# KiCad board central-control-unit.kicad_pcb (continued)
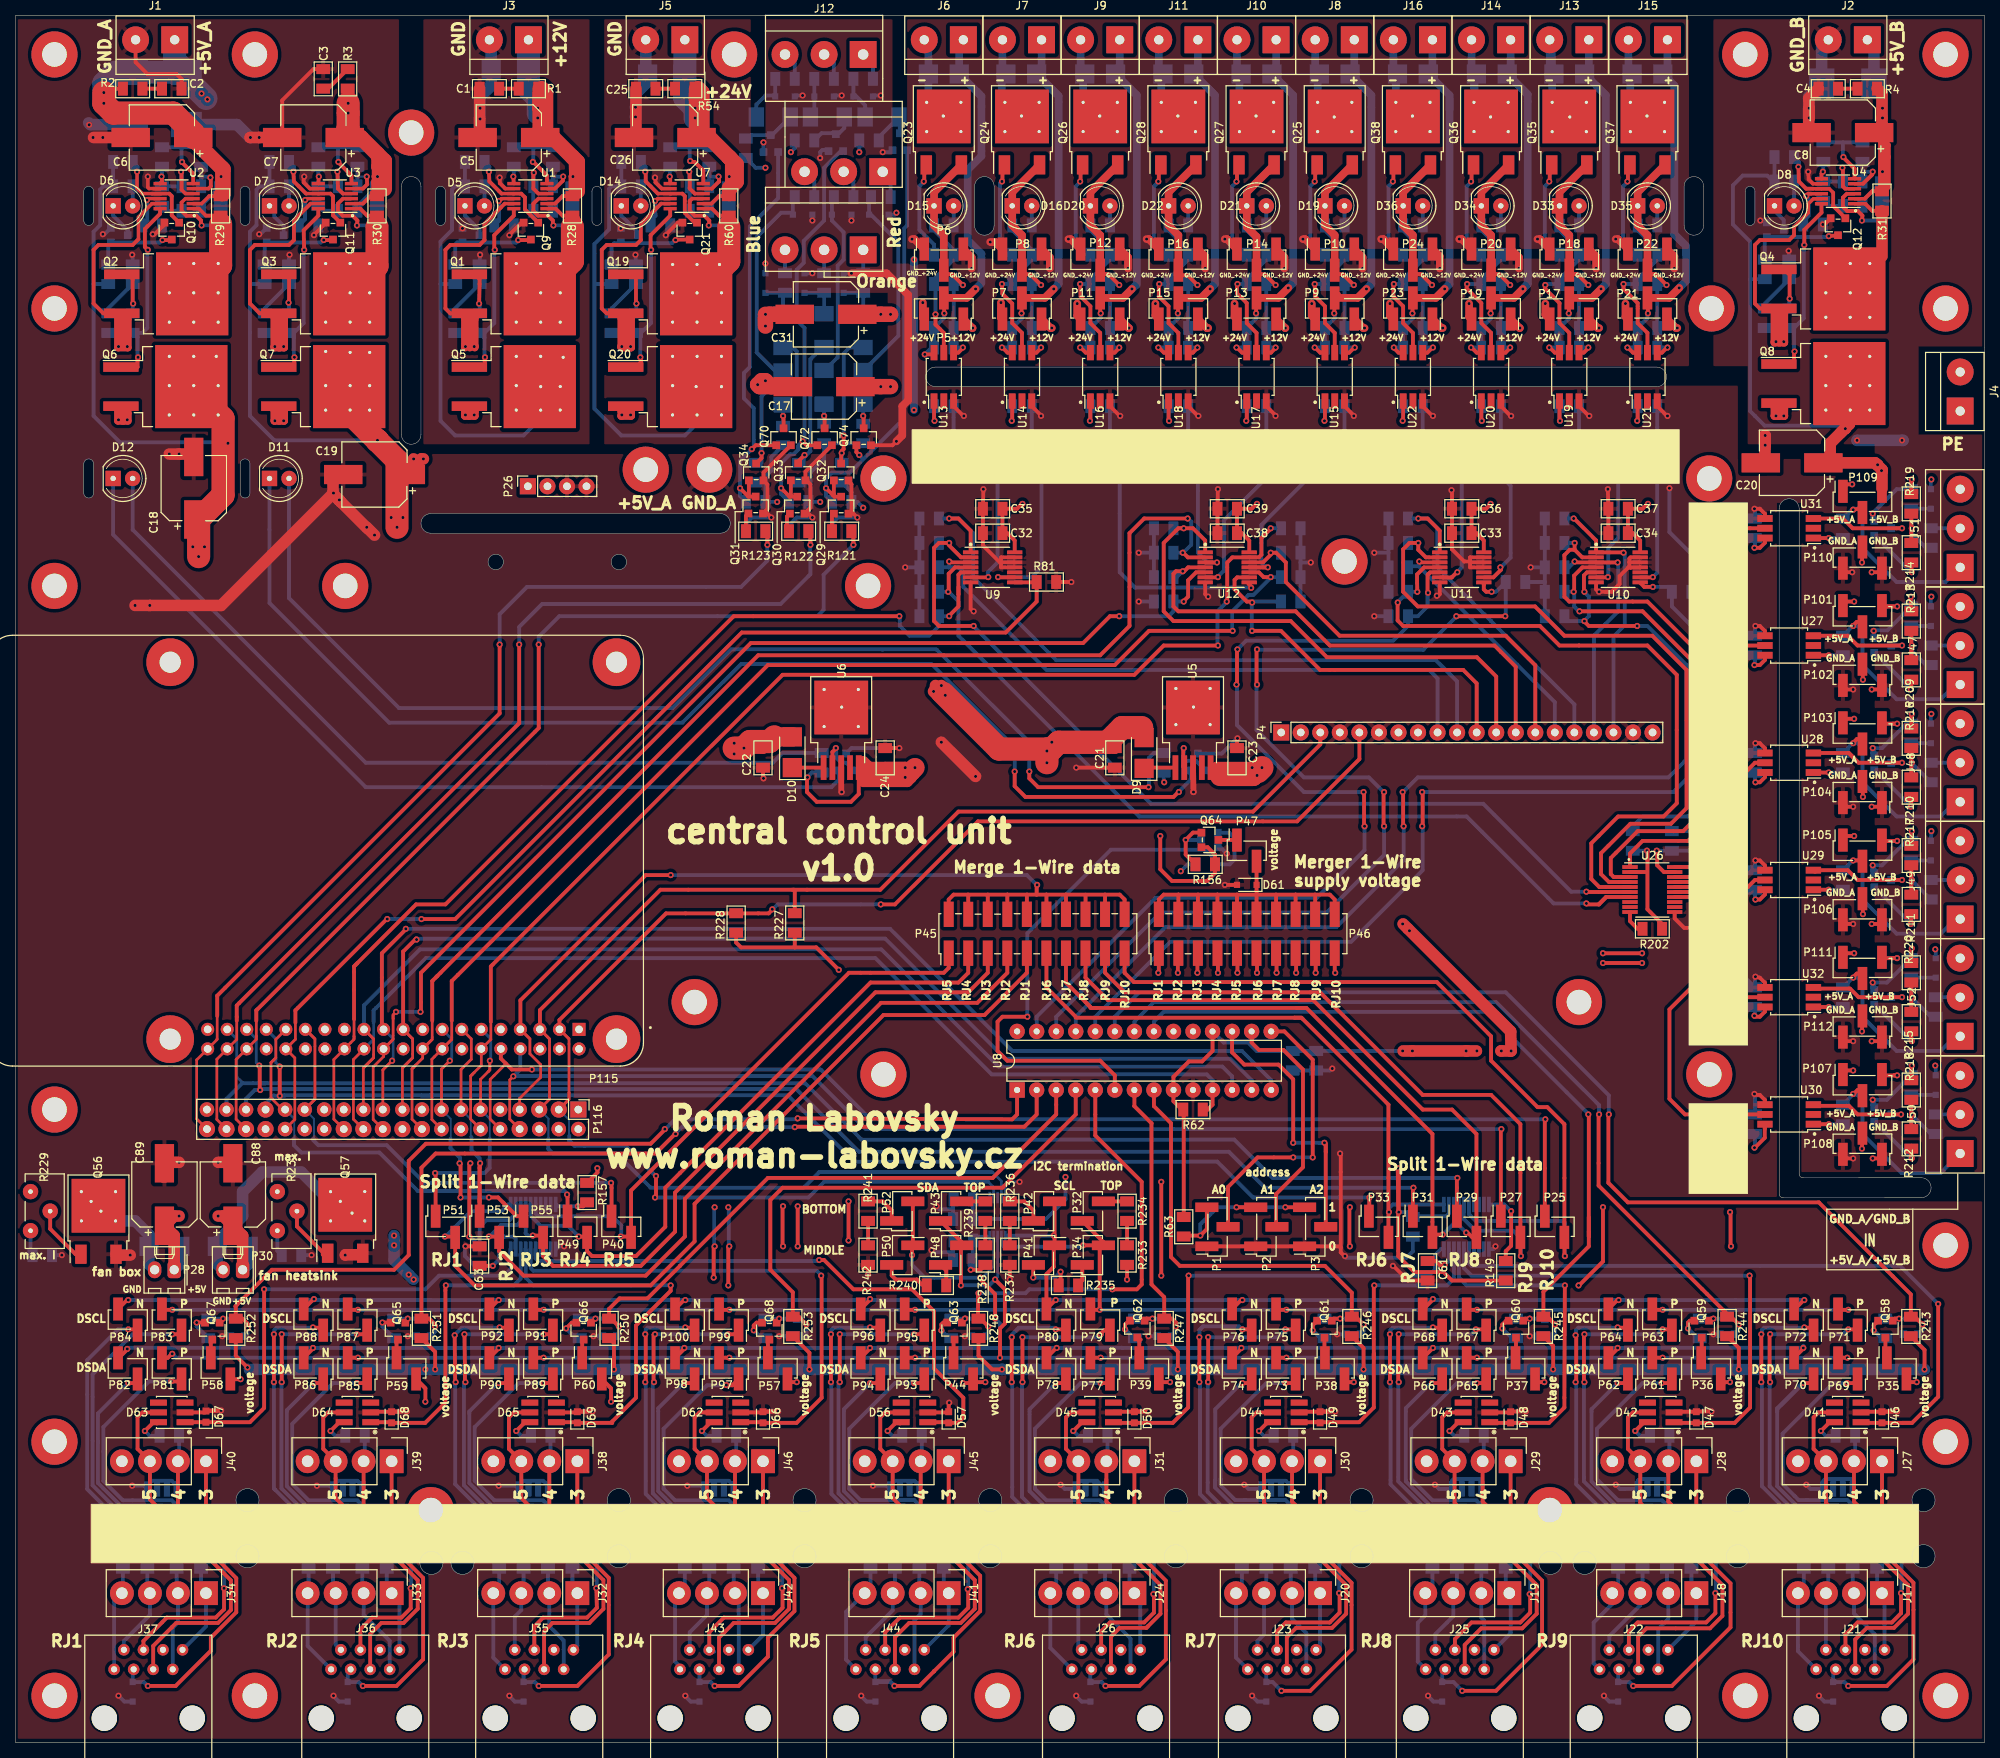
[diagram p0: board, top side]
## Routing (per net, layer and track width the routed paths; a pad name or vN(x,y) marks a point on that pad's centre or on a via; arc(x,y) is an arc through that point) (continued)
PCB_FREE3_3V3: length 66.7
  Top w0.5: 203.2,147.07 v1(203.26,147.07) 211.46,147.07 218.44,140.08 218.44,120.21 216.73,118.49 210.82,118.49 207.33,115 207.33,112.9 207.7,112.53 U26.3 208.67,112.53 ; U10.4 203.64,152.78 202.57,151.71 202.57,149.61
  Bottom w0.5: R76.1 v1(202.5,149.61) 202.57,149.61 202.57,147.7 203.2,147.07
PCB_FREE4_3V3: length 69.7
  Top w0.25: U26.1 210.6,113.83 ; 202.57,155.68 202.57,155.96
  Top w0.5: U26.1 209.82,115.59 211.46,117.22 217.36,117.22 219.71,119.57 219.71,140.72 212.09,148.34 201.93,148.34 201.3,148.97 201.3,154.37 201.99,155.07 202.63,155.07 ; U10.2 203.61,154.08 202.63,155.07 ; 202.63,155.07 v1(202.63,155.96)
  Bottom w0.5: 202.57,155.96 R77.1
PCB_PUMP_UNDERFLOOR_HEATING_FIRST_FOOR_3V3: length 116.5
  Top w0.5: 204.15,108.97 205.79,108.97 206.7,109.88 ; U26.7 206.7,109.93 205.74,108.97 ; 121.29,149.61 121.29,151.96 122.11,152.78 U9.4
  Bottom w0.5: v1(204.15,109.09) 199.9,109.09 188.59,120.4 146.05,120.4 122.55,143.89 122.55,148.34 121.29,149.61 v1(121.22,149.61) R74.1
PCB_PUMP_UNDERFLOOR_HEATING_SECOND_FOOR_3V3: length 123.4
  Top w0.25: 121.29,155.68 v1(121.35,155.96) 121.29,155.96 ; 205.78,110.58 v1(204.15,110.62)
  Top w0.5: U9.2 122.89,154.08 121.29,155.68 ; v1(204.15,110.62) 204.19,110.58 205.7,110.58 ; U26.6 205.78,110.58 ; 121.29,155.96 R75.1 119.38,155.32 119.38,145.8 120.02,145.16 124.46,145.16
  Bottom w0.5: 124.46,145.16 v1(124.52,145.16) 124.52,145.1 147.57,122.05 190.75,122.05 202.18,110.62 v1(204.15,110.62) ; R75.1 121.29,155.96
RELAY_BOILER_3V3: length 30.4
  Top w0.5: v1(162.75,152.78) 162.12,152.78 ; 162.12,152.78 162.56,152.78 ; 162.12,152.78 U12.11 161.85,152.78
  Bottom w0.5: 161.93,157.67 161.93,158.31 172.72,169.1 R102.1 ; 161.93,157.67 161.93,153.42 162.56,152.78 v1(162.75,152.78) ; 161.93,157.67 161.93,157.85
RELAY_FREE1_3V3: length 26.6
  Top w0.25: 185.13,151.51 185.1,151.48
  Top w0.5: 185.1,151.48 185.51,151.48 185.54,151.46 186.64,151.46 187.33,152.15
  Bottom w0.5: 187.33,152.15 v1(187.39,152.15) 187.39,152.21 187.96,152.78 187.96,164.02 182.88,169.1 R136.1
RELAY_FREE2_3V3: length 25.1
  Top w0.25: 190.85,151.51 190.82,151.48
  Top w0.5: 190.82,151.48 192.07,151.48 193.04,152.45 v1(192.98,152.78) 193.04,152.78
  Bottom w0.5: R134.1 193.04,164.66 194.31,163.39 194.31,154.05 193.04,152.78
RELAY_FREE3_3V3: length 28
  Top w0.25: 207.01,151.51 205.45,151.51 205.42,151.48
  Top w0.5: v1(206.95,151.51) 206.92,151.48 205.42,151.48
  Bottom w0.5: 207.01,151.51 207.01,155.32 208.28,156.59 208.28,164.21 203.2,169.29 R133.1
RELAY_FREE4_3V3: length 25.8
  Top w0.25: 211.11,151.51 211.14,151.48 212.7,151.48 212.73,151.51
  Top w0.5: 211.14,151.48 212.76,151.48 v1(212.79,151.51)
  Bottom w0.5: v1(212.79,151.51) 213.36,152.08 R135.1
RELAY_PUMP_FIREPLACE_CELLAR_3V3: length 41.1
  Top w0.5: 160.66,150.24 160.26,150.64 160.26,150.74 160.29,150.78
  Bottom w0.5: 160.66,150.24 160.53,150.11 v1(160.59,150.11) 160.59,150.18 160.57,150.16 145.5,150.16 143.51,152.15 143.51,167.83 142.24,169.1 R103.1
RELAY_PUMP_FIREPLACE_FIRST_FLOOR_3V3: length 25.8
  Top w0.25: 156.21,153.42 v1(156.15,153.42) 154.63,153.42
  Top w0.5: U12.3 154.63,153.42 v1(156.15,153.42)
  Bottom w0.5: 156.21,153.42 154.94,153.42 153.67,154.69 153.67,167.83 152.4,169.1 R105.1
RELAY_PUMP_FIREPLACE_SECOND_FLOOR_3V3: length 28.1
  Top w0.25: 154.62,151.48 156.18,151.48 156.21,151.51
  Top w0.5: v1(156.27,151.51) 156.24,151.48 154.62,151.48
  Bottom w0.5: R104.1 162.56,164.42 157.06,158.92 157.06,152.36 156.21,151.51
RELAY_PUMP_UNDERFLOOR_HEATING_FIRST_FOOR_3V3: length 27.5
  Top w0.25: 124.17,151.51 124.14,151.48
  Top w0.5: 124.14,151.48 126.4,151.48 v1(126.43,151.51)
  Bottom w0.5: 126.36,151.51 126.36,152.15 127.64,153.42 127.64,164.21 121.92,169.93 R94.1
RELAY_PUMP_UNDERFLOOR_HEATING_SECOND_FOOR_3V3: length 29.9
  Top w0.25: 129.83,151.51 129.86,151.48
  Top w0.5: 129.86,151.48 127.73,151.48 v1(127.7,151.51)
  Bottom w0.5: 127.64,151.51 132.08,151.51 133.35,152.78 133.35,167.83 132.08,169.1 R95.1
RESET_1WIRE_CELLAR_FIREPLACE_SUPPLY: length 127.5
  Top w0.5: v1(30.16,53.85) 30.16,54.48 29.53,55.12 R252.2 ; R252.2 28.64,56.77 28.83,56.96 ; R252.2 28.64,54.86 ; 84.45,79.76 v1(84.39,79.76) 84.39,79.69 82.55,77.85 53.34,77.85 51.12,75.63 51.12,63.37 49.21,61.47 33.34,61.47 28.83,56.96 ; 28.83,56.96 28.57,56.71 ; 130.18,84.2 130.18,81.66 129.54,81.03 v1(101.66,81.15) 101.6,81.03
  Bottom w0.5: 84.45,79.76 85.72,81.03 101.6,81.03 ; Q47.1 30.16,53.17 v1(30.16,53.85)
RESET_1WIRE_FIRST_FLOOR_FIREPLACE_SUPPLY: length 108.9
  Top w0.5: 85.72,79.12 83.19,76.58 54.61,76.58 52.77,74.74 R251.2 53.78,55.12 54.55,54.36 v1(54.55,54.1) ; 132.72,84.2 132.72,81.66 131.12,80.06 101.29,80.06
  Bottom w0.5: Q48.1 54.55,53.42 v1(54.55,54.1) ; 85.72,79.12 v1(85.79,79.12) 85.79,79.18 86.67,80.06 87.32,80.06 v1(101.28,80.01) 101.29,80.06
RESET_1WIRE_FREE1_SUPPLY: length 35.1
  Top w0.5: v1(150.81,54.1) 150.81,54.61 150.3,55.12 R247.2 149.29,57.91 147.64,59.56 147.64,80.52 147.63,80.52 145.42,82.74 U8.7
  Bottom w0.5: Q43.1 150.81,53.42 v1(150.81,54.1)
RESET_1WIRE_FREE2_SUPPLY: length 54.5
  Top w0.5: U8.8 147.96,82.74 150.18,80.52 150.18,63.12 151.32,61.98 170.18,61.98 173.67,58.48 R246.2 174.18,55.37 v1(175.2,54.36)
  Bottom w0.5: v1(175.2,54.36) 175.2,53.47 Q42.1
RESET_1WIRE_FREE3_SUPPLY: length 99.4
  Top w0.5: 204.47,81.66 204.47,66.42 ; 204.47,66.42 204.47,65.79 204.47,68.33 ; 204.47,66.42 204.47,64.52 198.56,58.61 R245.2 199.07,55.37 v1(200.09,54.36)
  Bottom w0.5: U8.21 147.96,93.73 149.23,95 191.14,95 204.41,81.72 v1(204.41,81.66) 204.47,81.66 ; Q41.1 200.09,53.22 v1(200.09,54.36)
RESET_1WIRE_FREE4_SUPPLY: length 106.2
  Top w0.5: v1(223.96,54.36) 222.95,55.37 R244.2 222.44,55.72 205.74,72.42 205.74,81.66
  Bottom w0.5: Q40.1 223.96,53.68 v1(223.96,54.36) ; 205.74,81.66 v1(205.8,81.66) 205.8,82.87 192.41,96.27 147.96,96.27 145.42,93.73 U8.22
RESET_1WIRE_FREE5_SUPPLY: length 136.7
  Top w0.5: v1(247.84,54.36) 246.82,55.37 R243.2 246.32,58.27 234.36,70.23 209.55,70.23 207.01,72.77 207.01,81.66
  PWR.Cu w0.5: 142.24,91.82 142.88,91.82
  Bottom w0.5: 207.01,81.66 v1(207.07,81.66) 207.07,84.14 193.68,97.54 146.05,97.54 142.88,94.36 U8.23 ; Q39.1 247.84,53.68 v1(247.84,54.36)
RESET_1WIRE_HOT_WATER_TANK_SUPPLY: length 67.7
  Top w0.5: U8.4 137.8,81.66 128.27,72.14 99.69,72.14 98.11,70.55 98.11,61.47 101.03,58.55 R253.2 101.79,55.37 v1(102.81,54.36)
  Bottom w0.5: v1(102.81,54.36) 102.81,53.17 Q46.1
RESET_1WIRE_MERGE_CONNECTION_SUPPLY: length 75.4
  Top w0.5: 131.45,94.36 128.27,94.36 127.64,93.73 127.64,89.92 128.91,88.65 140.97,88.65 142.88,86.74 U8.6
  Bottom w0.5: 131.45,94.36 v1(131.51,94.36) 131.51,105.22 142.37,116.08 154.62,116.08 155.89,114.81 R249.2 157.8,114.17 158.43,114.81 158.43,117.6 157.74,118.3 Q45.1
RESET_1WIRE_OUTDOOR_SENSOR_SUPPLY: length 55.3
  Top w0.5: 125.09,55.63 125.09,58.36 v1(125.16,58.42) ; v1(126.43,54.1) 125.41,55.12 R248.2 ; U8.5 140.34,78.93 146.37,72.9 146.37,59.56 145.73,58.93 v1(142.56,58.93)
  Bottom w0.5: v1(126.43,54.1) 126.43,53.09 Q44.1 ; v1(142.56,58.93) 131.76,58.93 131.25,58.42 v1(125.16,58.42)
RESET_1WIRE_SECOND_FLOOR_FIREPLACE_SUPPLY: length 76.1
  Top w0.5: v1(78.42,54.1) 77.41,55.12 R250.2 77.15,56.39 78.51,57.75 82.14,57.75 86.37,61.98 86.37,61.99 97.79,73.41 127,73.41 135.26,81.66 U8.3
  Bottom w0.5: v1(78.42,54.1) 78.42,53.09 Q49.1
RPI_BLUE_LED_3V3: length 127.2
  Top w0.35: P116.40 23.56,81.09 23.56,88.75 P115.40 26.16,91.36 26.16,91.38 26.23,91.44 26.23,94.49
  Top w0.5: 26.23,94.49 26.23,97.09 62.93,133.79 v1(62.93,142.75) ; v1(97.73,155.7) 97.73,157.48
  Bottom w0.5: R123.2 97.73,157.23 v1(97.73,155.7) 97.73,153.67 94.3,150.24 66.48,150.24 62.93,146.69 v1(62.93,142.75)
RPI_BOILER_3V3: length 156.9
  Top w0.35: 59.2,86.7 59.63,87.12 ; 59.63,87.12 59.44,86.93 ; 59.63,87.12 60.55,88.04 60.55,90.18 61.79,91.42 61.79,93.73 ; 59.44,86.93 59.28,86.77 ; 59.44,86.93 59.16,86.66 59.16,81.04 P116.12
  Top w0.5: 61.79,93.73 61.79,100.9 99.69,138.81 145.42,138.81 149.23,142.62 v1(156.27,142.62) 156.21,142.62 ; 157.48,148.34 157.48,153.42 158.15,154.08 U12.13 161.59,154.08 161.93,154.41 161.93,156.59 163.13,157.8 v1(163.13,157.86) 163.2,157.86
  Bottom w0.5: 157.48,148.34 v1(157.42,148.34) 157.42,148.27 156.21,147.07 156.21,142.62 ; 163.2,157.86 R93.1
RPI_FREE1_3V3: length 125
  Top w0.25: 183.6,151.88 183.59,151.88 183.52,151.81
  Top w0.5: 175.26,119.13 175.26,123.57 ; U11.5 183.85,152.13 183.6,151.88 ; 158.75,137.54 158.75,142.07 ; 183.68,151.97 183.59,151.88 ; 183.52,151.81 183.52,149.61
  Bottom w0.5: 175.26,123.57 167.45,123.57 158.75,132.27 158.75,137.48 v1(158.69,137.54) 158.75,137.54 ; 183.52,149.61 183.52,149.54 v1(183.58,149.48) 183.52,149.42 183.52,147.7 182.25,146.43 R85.1 180.98,145.16 179.07,143.26 159.94,143.26 158.81,142.13 v1(158.81,142.11) 158.8,142.11 158.75,142.07 ; U8.27 132.72,94.36 148.18,109.82 169.13,109.82 175.32,116.01 v1(175.32,119.13) 175.26,119.13
  vias: v1(175.2,123.57)
RPI_FREE2_3V3: length 135.1
  Top w0.5: 190.82,150.78 190.82,149.92 191.14,149.61 191.77,149.61 ; 193.68,146.43 v1(193.61,146.43) 187.33,146.43 ; 177.8,119.13 177.8,123.57 ; 161.29,137.54 161.29,142.07
  Bottom w0.5: 161.29,137.54 v1(161.35,137.54) 161.29,137.48 161.29,131.64 167.45,125.48 175.9,125.48 177.86,123.51 v1(177.86,123.57) 177.8,123.57 ; 187.33,146.43 v1(187.26,146.43) 187.26,146.37 182.96,142.07 161.4,142.07 v1(161.35,142.11) 161.31,142.07 161.29,142.07 ; U8.26 135.26,94.36 148.81,107.92 170.4,107.92 177.86,115.38 v1(177.86,119.13) 177.8,119.13 ; 193.68,146.43 R84.1 192.41,149.61 v1(191.83,149.61) 191.77,149.61
RPI_FREE3_3V3: length 138.8
  Top w0.5: 210.82,145.16 v1(210.76,145.16) 204.47,145.16 203.9,145.73 v1(203.9,145.8) 203.84,145.8 ; U10.5 204.23,152.13 203.84,151.73 203.84,149.61 ; 180.34,119.13 180.34,123.57
  Bottom w0.5: 180.34,119.13 v1(180.4,119.13) 180.4,114.74 171.67,106.01 149.45,106.01 137.8,94.36 U8.25 ; 180.34,123.57 v1(180.28,123.57) 180.28,123.51 182.25,125.48 214.82,125.48 217.17,127.83 217.17,140.08 212.09,145.16 210.82,145.16 ; 201.93,145.8 203.84,145.8 204.47,146.43 204.47,148.97 203.9,149.54 v1(203.9,149.61) 203.84,149.61
RPI_FREE4_3V3: length 128.1
  Top w0.5: 211.14,150.78 211.68,150.24 212.73,150.24 ; 182.88,119.13 182.88,119.19 182.82,119.25 182.88,119.32 182.88,123.57
  Bottom w0.5: U8.24 140.34,94.36 150.08,104.11 173.58,104.11 182.88,113.41 182.88,119.13 ; R83.1 215.27,147.7 219.08,143.89 219.08,127.19 215.46,123.57 v1(182.82,123.57) 182.88,123.57 ; 212.73,150.24 v1(212.79,150.24) 214.63,150.24
  vias: v1(182.82,119.13)
RPI_ORANGE_LED_3V3: length 131.7
  Top w0.25: 28.7,94.49 28.7,93.85
  Top w0.35: P116.38 26.18,81.01 26.18,88.84 P115.38 28.77,91.42 28.77,94.36
  Top w0.5: 103.06,157.23 102.81,157.48 ; 28.77,93.85 28.77,95.82 65.47,132.52 v1(65.47,142.75) ; v1(103.31,155.7) 103.31,157.48
  Bottom w0.5: R122.2 103.31,157.23 v1(103.31,155.7) 103.31,151.89 99.44,148.02 68.45,148.02 65.47,145.03 v1(65.47,142.75)
RPI_PUMP_FIREPLACE_CELLAR_3V3: length 156.7
  Top w0.35: P115.16 54.12,88.84 54.12,81.01 P116.16 ; P115.16 56.71,91.42 56.71,93.85 ; P115.16 56.64,91.36
  Top w0.5: 158.12,144.53 v1(158.18,144.53) 147.32,144.53 142.88,140.08 97.79,140.08 56.71,99 56.71,93.85 ; U12.10 161.59,152.13 162.21,151.51 v1(163.13,151.51) 163.2,151.51
  Bottom w0.5: 158.12,144.53 158.12,147.07 160.24,149.19 160.87,149.19 163.2,151.51 R92.1
RPI_PUMP_FIREPLACE_FIRST_FLOOR_3V3: length 163.2
  Top w0.35: 54.1,91.36 P115.18 ; P115.18 54.17,91.42 54.17,93.85 ; P115.18 52.93,88.98 51.94,88 ; 51.79,87.84 51.94,88 ; 51.79,87.84 51.68,87.73 ; 51.79,87.84 51.54,87.6 ; 51.94,88 51.54,87.6 ; P116.18 51.54,81.04 51.54,87.6
  Top w0.5: 54.83,99.66 54.61,99.44 ; 54.83,99.66 96.52,141.35 140.97,141.35 144.78,145.16 144.78,157.23 146.69,159.13 v1(152.34,159.13) 152.4,159.13 ; 54.83,99.66 54.17,99 54.17,93.85 ; U12.2 152.37,154.08 151.77,154.69
  Bottom w0.5: 152.4,159.13 152.8,158.73 152.8,155.72 151.77,154.69 v1(151.7,154.69) R90.1
RPI_PUMP_FIREPLACE_SECOND_FLOOR_3V3: length 154.5
  Top w0.25: 47.85,90.18 49.02,91.36
  Top w0.35: 47.85,90.18 49,91.33 ; 47.85,90.18 49.09,91.42 49.09,94.11 ; 47.85,90.18 47.85,89.18 46.5,87.84 46.5,81.01 P116.22 ; 49.09,94.11 49.09,94.53 ; 49.09,94.11 49.09,94.62 v1(49.47,95)
  Top w0.5: 52.7,95 52.7,100.08 95.57,142.94 138.75,142.94 142.24,146.43 v1(143.45,146.43) 143.51,146.43 ; U12.5 153.43,152.13 152.4,151.1 152.4,148.97 151.83,148.4 v1(151.83,148.34) 151.77,148.34
  Bottom w0.5: 143.51,146.43 149.86,146.43 150.5,147.07 R91.1 151.77,148.34 ; 49.53,95 v1(52.64,95) 52.7,95
RPI_PUMP_UNDERFLOOR_HEATING_FIRST_FOOR_3V3: length 133.7
  Top w0.25: 122.55,150.24 122.55,148.34
  Top w0.35: 44.01,94.05 44.01,91.82 ; 44.01,91.82 44.01,91.42 P115.26 41.38,88.8 41.38,81.04 P116.26 ; 44.01,91.82 44.01,91.55
  Top w0.5: 122.55,149.29 122.55,147.7 121.35,146.49 v1(121.35,146.43) 121.29,146.43 ; 122.55,149.29 122.55,150.24 ; 122.55,149.29 122.55,151.83 122.86,152.13 U9.5 ; 44.42,101.31 52.07,108.97 55.88,108.97 93.34,146.43 v1(114.87,146.43) 114.94,146.43 ; 44.42,101.31 44.13,101.03 ; 44.42,101.31 44.01,100.9 44.01,94.05
  Bottom w0.5: 121.29,146.43 R80.1 120.02,145.16 118.74,143.89 116.2,143.89 114.94,145.16 114.94,146.43
RPI_PUMP_UNDERFLOOR_HEATING_SECOND_FOOR_3V3: length 142.4
  Top w0.25: 129.91,150.88 U9.8 ; P115.32 36.32,91.36
  Top w0.35: 36.39,93.6 36.39,91.42 P115.32 36.31,89.02 36.31,81.01 P116.32
  Top w0.5: U9.8 132.67,150.83 R81.1 132.72,148.34 128.69,144.31 94.4,144.31 57.15,107.06 v1(52.77,107.06) 52.7,107.06 ; 48.26,107.06 36.39,95.19 36.39,93.6
  Bottom w0.5: 52.7,107.06 v1(48.32,107.06) 48.26,107.06
RPI_RED_LED_3V3: length 133.3
  Top w0.35: P116.36 28.68,81.04 28.68,88.8 31.31,91.42 31.31,91.82 ; 31.31,93.85 31.31,91.82 ; 31.31,91.82 31.31,91.55
  Top w0.5: v1(68.01,142.75) 68.01,131.89 31.31,95.19 31.31,93.85 ; 108.9,157.48 v1(108.9,155.7)
  Bottom w0.5: R121.2 108.9,157.23 v1(108.9,155.7) 105.03,151.83 105.03,147.26 104.2,146.43 70.68,146.43 68.01,143.76 v1(68.01,142.75)
SECOND_FLOOR_FIREPLACE_DSCL_N_CON: length 14
  Bottom w0.5: J35.1 62.11,11.05 J32.4 62.86,20.19 R193.1
SECOND_FLOOR_FIREPLACE_DSCL_P_CON: length 11
  Bottom w0.5: R192.1 66.04,19.73 J32.3 65.75,17.23 64.9,16.38 J35.2
SECOND_FLOOR_FIREPLACE_DSDA_N_CON: length 13.9
  Bottom w0.5: J35.7 71.25,13.27 69.39,15.13 J32.2 69.22,19.6 R191.1
SECOND_FLOOR_FIREPLACE_DSDA_P_CON: length 11
  Bottom w0.5: R190.1 72.39,20.07 J32.1 73.02,12.57 J35.8
SPI_CLK: length 141.6
  Top w0.35: P116.23 45.21,87.69 ; 45.21,87.69 46.55,89.03 46.55,91.48 45.93,92.1 ; 45.21,87.69 46.48,88.96 ; 45.93,92.1 P115.23 ; 45.93,92.1 46.48,91.55
  Bottom w0.5: P115.23 45.31,95.85 52.58,103.12 112.52,103.12 127.76,87.88 156.84,87.88 158.12,86.61 U8.12
SPI_CS: length 142.6
  Top w0.35: P116.24 43.92,81.04 43.92,88.8 P115.24
  Top w0.5: R62.2 154.94,82.3 155.58,82.93 U8.11
  Bottom w0.35: 46.55,93.6 46.55,91.42 P115.24 46.48,91.36
  Bottom w0.5: 46.55,93.6 46.55,95.19 53.34,101.98 111.76,101.98 126.87,86.87 154.81,86.87 155.58,86.11 U8.11 155.58,85.6
SPI_MISO: length 156.5
  Top w0.25: P116.21 47.75,87.5 48.89,88.65
  Top w0.35: v1(48.96,88.65) 47.75,87.44 P116.21
  Top w0.5: 47.85,92.72 47.62,92.94 47.62,102.62 50.74,105.73 v1(50.74,105.79) 50.8,105.79
  Bottom w0.25: 48.89,88.65 49.02,88.77 ; 49.02,91.55 47.85,92.72
  Bottom w0.35: 49.09,88.69 49.09,91.48 47.85,92.72 ; v1(48.96,88.65) 49,88.69
  Bottom w0.5: U8.14 163.2,86.11 159.39,89.92 129.54,89.92 113.66,105.79 50.8,105.79
SPI_MOSI: length 145.6
  Top w0.35: 50.29,87.7 51.56,88.96 ; 50.29,87.7 51.63,89.03 51.63,91.48 P115.19 51.56,91.55 ; 50.29,87.7 P116.19
  Top w0.5: 50.8,93.13 P115.19 50.39,102.84 52.07,104.52
  Bottom w0.5: U8.13 160.66,86.11 157.86,88.9 128.65,88.9 113.03,104.52 60.33,104.52 59.25,104.5 52.24,104.5 v1(52.13,104.39) 52.07,104.52
SWITCH_BOILER_3V3: length 55.5
  Top w0.25: 163.2,154.49 163.2,154.69
  Top w0.5: 163.2,154.49 162.14,153.43 U12.12 ; 163.2,154.69 v1(163.13,154.69) 163.83,154.69 165.1,153.42 165.1,150.88 172.09,143.89 193.68,143.89 197.52,140.05 P4.14
  Bottom w0.5: 163.2,154.69 R89.1
SWITCH_FREE1_3V3: length 33.7
  Top w0.5: U11.3 182.55,153.43 v1(182.44,153.54)
  Bottom w0.5: 182.37,152.93 182.44,152.99 v1(182.44,153.54) ; 182.37,152.93 181.13,152.93 R73.1 ; 182.37,152.93 200.06,135.25 P4.15
SWITCH_FREE2_3V3: length 44.5
  Top w0.5: 185.1,154.78 185.1,157.55 183.52,159.13 v1(182.31,159.13) 182.25,159.13
  Bottom w0.5: P4.16 202.59,134.97 191.78,145.79 191.78,145.8 184.79,152.79 184.79,157.86 183.52,159.13 R72.1
SWITCH_FREE3_3V3: length 30.8
  Top w0.25: 202.74,153.43 v1(202.63,153.54) ; 205.43,153.42 U10.3
  Top w0.5: 205.43,153.42 v1(208.22,153.42) 208.28,153.42 ; U10.3 202.74,153.43
  Bottom w0.5: v1(202.63,153.54) 201.87,152.78 R70.1 ; P4.17 205.14,143.92 208.28,147.07 208.28,153.42
SWITCH_FREE4_3V3: length 34.6
  Top w0.25: 205.46,154.69 U10.1
  Top w0.5: 202.57,159.13 205.42,156.28 U10.1 208.81,154.73 208.85,154.69 208.9,154.73 208.93,154.73 v1(208.98,154.69)
  Bottom w0.5: 208.92,154.69 209.13,154.47 209.13,145.25 207.68,143.79 P4.18 ; 202.57,159.13 v1(202.5,159.13) R71.1
SWITCH_PUMP_FIREPLACE_CELLAR_3V3: length 52.3
  Top w0.5: 160.66,148.34 160.02,148.34 158.43,149.92 158.43,151.13 158.78,151.48 160.34,151.48 ; P4.11 189.9,137.7 188.15,139.45 169.55,139.45 164.47,144.53 160.66,144.53
  Bottom w0.5: R88.1 160.66,148.34 160.66,148.27 v1(160.72,148.21) 160.66,148.15 160.66,144.72 160.72,144.65 160.66,144.59 160.66,144.53
  vias: v1(160.72,144.53)
SWITCH_PUMP_FIREPLACE_FIRST_FLOOR_3V3: length 72.6
  Top w0.25: 154.57,154.69 U12.1
  Top w0.5: 154.62,154.78 154.62,156.28 153.04,157.86 v1(151.83,157.86) 151.13,157.86 149.23,155.96 149.23,147.07 150.5,145.8 165.74,145.8 170.43,141.1 189.93,141.1 192.44,138.59 P4.12
  Bottom w0.5: R86.1 151.77,157.86
SWITCH_PUMP_FIREPLACE_SECOND_FLOOR_3V3: length 66.5
  Top w0.5: P4.13 194.98,139.86 192.21,142.62 170.82,142.62 166.37,147.07 151.13,147.07 150.5,147.7 150.5,151.96 150.81,152.27 v1(151.7,152.27) ; 151.77,152.15 152.4,152.78 U12.4
  Bottom w0.5: R87.1 150.94,151.51 v1(151.7,152.27)
SWITCH_PUMP_UNDERFLOOR_HEATING_FIRST_FOOR_3V3: length 82.5
  Top w0.5: v1(121.35,153.54) 121.46,153.43 U9.3
  Bottom w0.5: 121.29,152.78 121.35,152.84 v1(121.35,153.54) ; 121.29,152.78 R68.1 ; 121.29,152.78 122.55,152.78 123.19,152.15 123.19,150.24 133.99,139.45 183.71,139.45 184.82,138.34 P4.9
SWITCH_PUMP_UNDERFLOOR_HEATING_SECOND_FOOR_3V3: length 92.4
  Top w0.5: 124.14,154.78 124.14,157.55 122.55,159.13 v1(121.35,159.13) 121.29,159.13
  Bottom w0.5: R69.1 122.55,159.13 124.45,157.23 124.45,151.51 134.3,141.66 134.31,141.66 135.26,140.72 184.59,140.72 187.36,137.96 P4.10
SYS_+3V3: length 1042.1
  Top w0.5: 74.93,72.77 R157.1 75.65,74.12 v1(75.63,74.68) 75.65,74.68 ; R251.1 54.55,50.8 v1(54.55,48.51) ; 101.28,103.38 94.3,103.38 93.66,104.01 R228.1 ; 101.28,103.38 R227.1 ; 101.28,103.38 104.08,103.38 v1(107,100.46) ; R246.1 175.2,51.31 175.2,48.77 ; 77.79,50.16 v1(77.79,48.51) ; 77.79,50.16 77.79,51.94 R250.1 ; 77.79,50.16 77.79,49.15 ; R149.1 186.69,60.07 185.59,61.17 181.78,61.17 179.71,63.25 179.71,68.96 v1(179.64,74.68) ; 129.86,154.78 129.86,156.27 128.91,157.23 C32.2 C35.1 130.18,160.4 130.81,161.04 ; 212.09,161.04 211.46,160.4 C37.1 C34.2 210.19,157.23 211.14,156.27 211.14,154.78 ; v1(103.19,48.51) 103.19,50.67 R253.1 ; 102.87,125.48 102.87,123.57 104.14,122.3 108.58,122.3 109.59,123.31 U6.5 ; 212.09,115.95 212.09,108.33 214,106.43 R202.1 ; 151.45,81.98 R62.1 ; R62.1 151.57,82.3 150.5,83.38 U8.9 150.5,86.55 152.5,88.55 154.21,88.55 155.58,89.92 U8.18 ; R62.1 151.83,82.23 R63.1 ; R247.1 151.07,50.8 v1(151.07,48.51) ; 59.05,65.79 v1(58.99,65.79) 58.99,75.18 v1(59.12,75.31) 59.05,75.31 ; v1(179.64,74.68) 179.71,74.68 ; v1(179.64,74.68) 179.77,74.55 v1(179.77,68.96) ; 160.34,154.78 160.34,156.27 159.39,157.23 158.75,157.23 158.75,160.4 160.66,160.4 161.29,161.04 ; 211.23,113.18 211.86,113.18 ; U26.2 211.22,113.18 ; v1(199.83,48.51) 199.83,51.56 R245.1 ; R252.1 28.64,50.29 v1(30.16,48.77) ; R243.1 248.09,51.05 v1(248.09,48.51) ; v1(128.21,48.51) 128.33,48.51 126.94,48.51 125.16,50.29 R248.1 ; R244.1 223.96,51.31 v1(223.96,48.51) ; 190.82,154.78 190.82,156.27 189.87,157.23 C33.2 C36.1 191.14,160.4 191.77,161.04
  Top w1.5: 116.4,126.24 116.4,125.48 115.89,124.97 110.17,124.97 ; 180.34,106.43 194.31,92.46 v1(194.37,89.92) v1(193.1,89.92) 193.04,89.92 ; 110.17,125.6 110.81,126.24 110.81,126.87 110.17,127.51 ; C24.1 111.12,126.75 ; C24.1 v1(115.63,126.75) 116.84,126.75 ; C24.1 115.57,126.75 ; 180.34,89.92 v1(181.55,89.92) v1(188.53,89.92) 189.87,89.92
  Top w2.5: v1(116.9,126.75) 116.4,126.24 110.81,126.24
  PWR.Cu w0.5: 52.77,49.78 52.77,51.56 ; 52.77,51.56 52.77,50.42 ; 52.77,51.56 52.77,52.2 ; 130.18,88.65 128.27,88.65 127.22,87.6 127.22,82.77 v1(136.46,73.53) ; 214,119.76 212.09,117.86 212.09,115.95 ; 180.34,89.92 179.71,89.28 179.71,74.68 ; 59.05,75.31 59.05,75.95 59.69,76.58
  PWR.Cu w1.5: 181.61,89.92 168.28,89.92 167.01,88.65 130.18,88.65 ; 188.59,89.92 v1(189.93,89.92) 194.31,89.92 ; 163.91,113.33 165.02,113.33 ; 163.91,113.33 120.1,113.33 120.02,113.41 ; 163.91,113.33 173.44,113.33 v1(180.28,106.43) v1(181.17,105.54) ; v1(49.21,64.64) v1(49.21,65.91) 49.21,72.26 54.29,77.34 56.2,77.34 ; 120.02,113.41 121.29,114.68 121.29,126.75 ; 120.02,113.41 100.01,93.41 93.66,93.41 78.96,78.71 ; 212.73,118.49 217.81,123.57 217.81,133.73 ; 78.96,78.71 77.6,77.34 56.2,77.34 ; 78.96,78.71 78.11,77.85 ; 217.81,133.73 217.81,132.46 ; 217.81,133.73 217.81,157.23 214,161.04 v1(212.15,161.04) v1(161.35,161.04) 140.97,161.04 ; v1(115.63,125.48) 116.4,126.24 116.4,126.75 121.29,126.75 ; 121.29,126.75 139.7,145.16 139.7,161.04 140.97,161.04 ; 56.2,77.34 55.31,77.34 ; v1(116.9,126.75) v1(115.63,126.75) ; 52.77,50.42 52.77,49.02 v1(53.28,48.51) v1(54.55,48.51) ; 130.81,161.04 v1(130.87,161.04) 140.97,161.04 ; 52.77,49.78 52.77,59.18 v1(51.75,60.2) v1(51.12,60.83)
  Bottom w0.25: C60.2 181.7,68.42 ; U24.2 65,68.71 ; 124.71,70.87 C64.1
  Bottom w0.35: U25.1 124.71,70.87
  Bottom w0.5: 180.98,68.33 C60.2 180.98,68.96 v1(179.77,68.96) 179.71,68.96 ; 59.05,65.79 C62.2 60.33,67.06 61.18,67.91 64.21,67.91 65,68.71 ; 181.7,68.42 185.93,68.42 186.29,68.77 U23.2 ; U24.2 65,68.69 ; R249.1 152.34,114.17 v1(151.45,113.28) ; 212.09,115.95 v1(212.03,115.95) C68.2 ; C64.1 124.4,70.55 C65.1 133.92,68.07 136.46,70.61 v1(136.46,73.53) ; 80.07,48.51 78.42,48.51 ; 127.95,48.77 v1(128.21,48.51) ; U8.18 157.03,91.01 160.2,91.01 161.29,89.92 C30.1 C29.1 v1(180.28,89.92) 180.34,89.92 ; R53.1 103.5,126.11 102.93,125.54 v1(102.93,125.48) 102.87,125.48 ; 174.69,48.51 174.94,48.51
  Bottom w1: v1(30.16,48.77) 30.42,48.51
  Bottom w1.5: 103.44,48.51 v1(128.21,48.51) v1(151.07,48.51) v1(175.2,48.51) v1(199.83,48.51) v1(223.96,48.51) v1(248.09,48.51) ; v1(49.21,65.91) 49.21,62.74 v1(51.12,60.83) 51.72,60.23 ; v1(103.19,48.51) 30.42,48.51
  vias: v1(191.71,161.04)
SYS_+5V: length 325.9
  Top w1.5: 23.11,176.02 Q6.3 ; 98.01,130.14 C22.1 v1(94.68,129.29) 94.61,129.29 v1(93.41,129.92) 93.34,129.29 ; 27.62,171.51 27.62,161.8 24.83,159 23.81,159
  Top w2.5: D10.2 98.61,130.75
  Top w3: v1(23.81,154.18) 23.81,159 26.99,162.18 26.99,172.15 Q6.3 ; 98.61,130.75 98.01,130.14 95.47,130.14 94.61,129.29 93.41,129.29
  PWR.Cu w1: v1(23.81,154.18) 23.81,155.45
  PWR.Cu w1.5: 31.11,146.88 46.86,162.62 54.29,162.62 58.04,166.37 67.69,166.37 ; 31.11,146.88 38.1,139.89 ; 31.11,146.88 v1(23.81,154.18) ; 67.69,163.32 66.55,163.32 ; 67.69,163.32 67.69,164.47 ; 67.69,163.32 69.09,163.32 ; 67.69,163.32 67.69,166.37 ; 67.69,166.37 81.03,166.37 H1.1 ; 81.91,164.85 81.28,164.85 ; 51.43,129.29 50.8,129.29 ; 51.43,129.29 49.34,129.29 ; 51.43,129.29 v1(94.68,129.29)
  PWR.Cu w3: v1(94.68,129.29) 48.7,129.29 26.35,151.64 ; 26.99,151 v1(23.81,154.18)
  Bottom w0.5: 10.16,189.61 10.16,172.47 13.59,169.04 27.37,169.04 27.62,168.78 ; 10.16,189.61 10.16,196.41 11.02,197.26 11.02,201.9 11.43,202.31 R49.1 R41.1 ; 10.16,189.61 R45.1
  vias: v1(23.05,155.45) v1(24.57,155.45) v1(27.62,168.91) v1(93.41,128.52)
Net-(C1-Pad1): length 2.5
  Top w0.5: C1.1 R1.2
Net-(C2-Pad1): length 2.5
  Top w0.5: R2.2 C2.1
Net-(C3-Pad1): length 4.2
  Top w0.5: C3.1 40.64,215.01 R3.2
Net-(C4-Pad1): length 2.5
  Top w0.5: C4.1 R4.2
Net-(C13-Pad1): length 5.1
  Bottom w0.5: C13.1 57.15,186.44 R36.1
Net-(C14-Pad1): length 5.1
  Bottom w0.5: C14.1 12.06,186.44 R37.1
Net-(C15-Pad1): length 5.1
  Bottom w0.5: R38.1 32.38,186.44 C15.1
Net-(C16-Pad1): length 4.5
  Bottom w0.5: 227.33,187.07 C16.1
Net-(C25-Pad1): length 2.5
  Top w0.5: C25.1 R54.2
Net-(C28-Pad1): length 5.1
  Bottom w0.5: C28.1 77.47,186.44 R64.1
Net-(D1-A1): length 59.4
  Top w0.45: 69.07,200.07 70.14,200.07
  Top w0.5: 72.39,201.04 71.12,201.04 70.14,200.07
  Top w1: 73.02,206.12 73.02,201.68 72.39,201.04 72.39,203.58 v1(72.45,203.58) 72.39,206.12
  Top w1.5: C5.1 67.94,208.91 67.94,211.01 ; 67.94,211.39 67.94,212.47 v1(67.88,212.47) R1.1
  Top w2: 68.39,215.01 68.9,214.5 68.9,210.06 ; C5.1 69.85,208.66 73.02,205.49 73.02,201.68